# KiCad board Soldered Inkplate 6.kicad_pcb (continued)
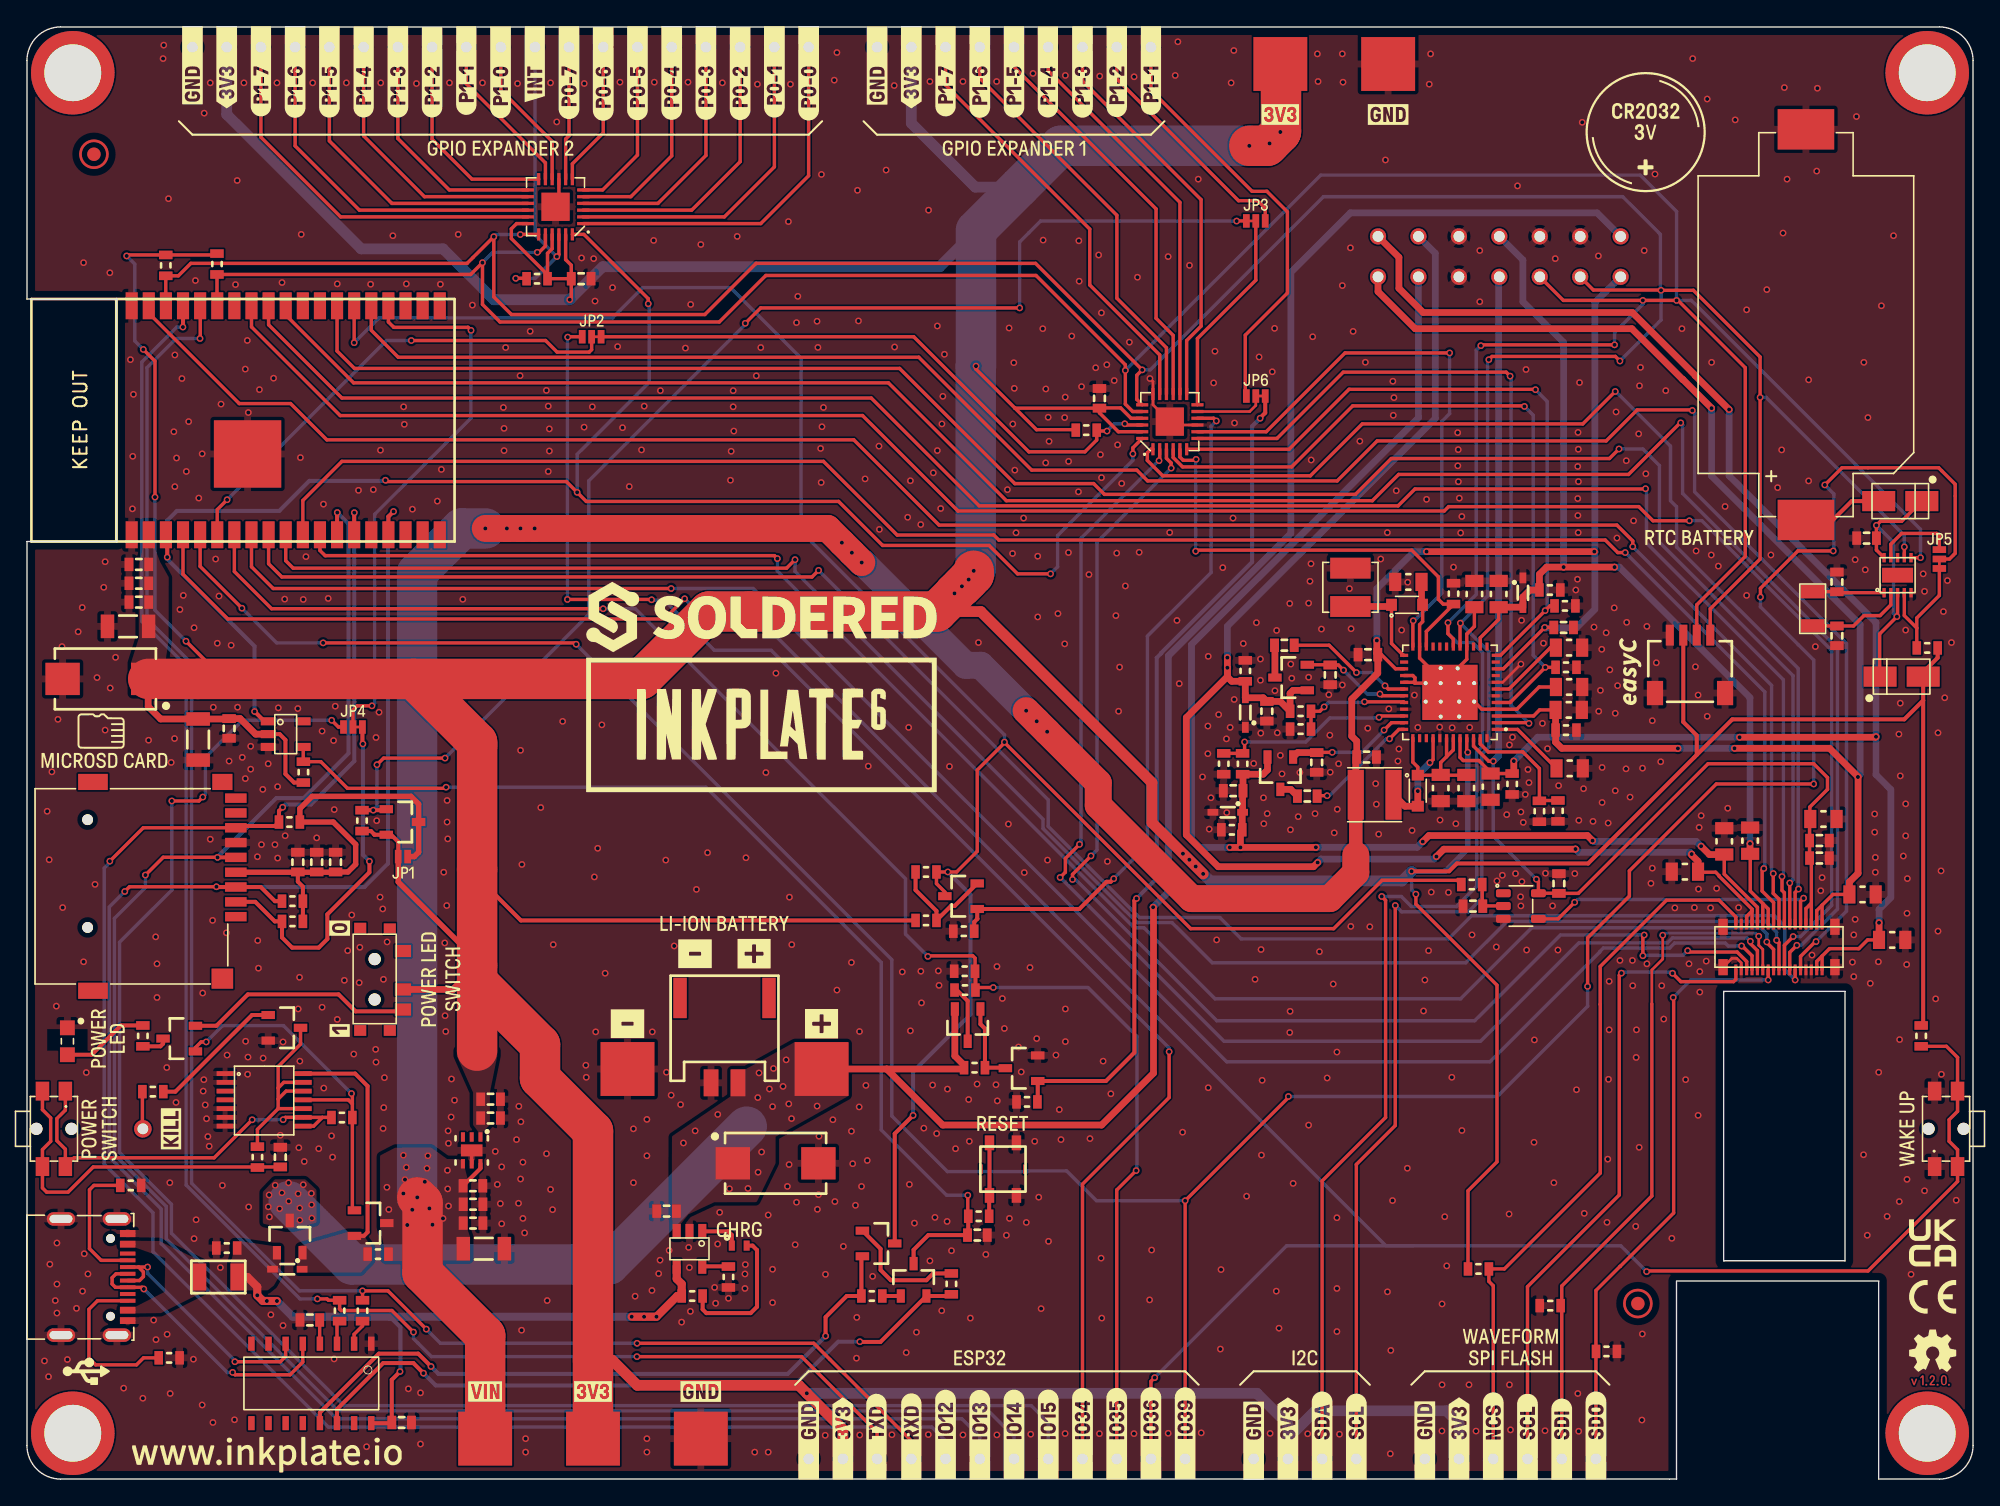
[diagram p0: board, top side]
## Footprints (pads in the part's own frame, mm; a bottom-side part is the same pattern mirrored in y, then rotated) (continued)
INKPLATE TEST HEADER
  round 1.2 hole 0.8: 1(-1.5,9) 2(-1.5,6) 3(-1.5,3) 4(-1.5,0) 5(-1.5,-3) 6(-1.5,-6) 7(-1.5,-9) 8(1.5,-9) 9(1.5,-6) 10(1.5,-3) 11(1.5,0) 12(1.5,3) 13(1.5,6) 14(1.5,9)
JST-2pin-SMD
  rect 1x3 smd: (-3.3,3.15) (3.3,3.15)
  rect 1.1x2 smd: 1(1,-3.15) 2(-1,-3.15)
K2-1114SA-A4SW-06
  round 0.9 hole 0.9 unplated: (0,1.3) (0,-1.3)
  rect 1.4x1 smd: 1(-2.8,0.85) 1(2.8,0.85) 2(-2.8,-0.85) 2(2.8,-0.85)
LTST-S270GKT
  rect 1.1x1.1 smd: 1(-1,0) 2(1,0)
M4_DIODA
  rect 2.45x1.5 smd: 1(-1.6,0) 2(1.6,0)
NR4012
  rect 1.2x3.7 smd: 1(-1.4,0) 2(1.4,0)
PAD_4x4
  rect 4x4 smd: 1(0,0)
PAD_4x4#2
  rect 4x4 smd: 1(0.075,1)
PCAL6416AHF,128
  rect 0.9x0.24 smd: 1(-2.05,1.25) 2(-2.05,0.75) 3(-2.05,0.25) 4(-2.05,-0.25) 5(-2.05,-0.75) 6(-2.05,-1.25) 13(2.05,-1.25) 14(2.05,-0.75) 15(2.05,-0.25) 16(2.05,0.25) 17(2.05,0.75) 18(2.05,1.25)
  rect 0.24x0.9 smd: 7(-1.25,-2.05) 8(-0.75,-2.05) 9(-0.25,-2.05) 10(0.25,-2.05) 11(0.75,-2.05) 12(1.25,-2.05) 19(1.25,2.05) 20(0.75,2.05) 21(0.25,2.05) 22(-0.25,2.05) 23(-0.75,2.05) 24(-1.25,2.05)
  rect 2.1x2.1 smd: 25(0,0)
PCF85063A
  rect 1.1x2.3 smd: (0,0)
  rect 0.7x0.25 smd: 1(-1.3,1) 2(-1.3,0.5) 3(-1.3,0) 4(-1.3,-0.5) 5(-1.3,-1) 6(1.3,-1) 7(1.3,-0.5) 8(1.3,0) 9(1.3,0.5) 10(1.3,1)
SK-3296S-01-L1
  rect 0.9x1.2 smd: 1(2.1,-2.1) 2(-0.75,-2.1) 3(-2.25,-2.1)
  round 0.9 hole 0.9: MH1(-1.5,0) MH2(1.5,0)
  rect 0.8x0.9 smd: MP1(-3.8,-1.125) MP2(3.75,-1.125) MP3(3.8,1.075) MP4(-3.8,1.075)
SMD_JUMPER
  rect 0.5x1 smd: 1(-0.35,0) 2(0.35,0)
SMD_JUMPER_3_PAD_CONNECTED_LEFT_TRACE
  rect 0.5x1 smd: 1(-0.7,0) 3(0.7,0)
  custom 0.5x1 smd: 2(0,0)
SN74LVC1G34DBV
  rrect 1.1x0.6 smd: 1(-1.3,0.95) 2(-1.3,0) 3(-1.3,-0.95) 4(1.3,-0.95) 5(1.3,0.95)
SOD-323
  rect 0.8x0.5 smd: 1(-1.1,0) 2(1.1,0)
SOD-323-2
  rect 0.8x0.9 smd: 1(-1.15,0) 2(1.15,0)
SOP-16
  rect 1.05x0.48 smd: 1(-2.95,4.445) 2(-2.95,3.175) 3(-2.95,1.905) 4(-2.95,0.635) 5(-2.95,-0.635) 6(-2.95,-1.905) 7(-2.95,-3.175) 8(-2.95,-4.445) 9(2.95,-4.445) 10(2.95,-3.175) 11(2.95,-1.905) 12(2.95,-0.635) 13(2.95,0.635) 14(2.95,1.905) 15(2.95,3.175) 16(2.95,4.445)
SOT-23-3
  rect 1x0.6 smd: 1(-1.2,0.95) 2(-1.2,-0.95) 3(1.2,0)
SOT-23-5
  rect 1.1x0.6 smd: 1(-1.3,0.95) 2(-1.3,0) 3(-1.3,-0.95) 4(1.3,-0.95) 5(1.3,0.95)
Standoff_M3
  round 6.2 hole 4.22: (0,0)
TPS7A2633DRVR
  rect 0.7x0.3 smd: 1(-0.995,0.65) 2(-0.995,0) 3(-0.995,-0.65) 4(0.995,-0.65) 5(0.995,0) 6(0.995,0.65)
  rect 0.89x1.6 smd: 5(0,0)
TSSOP-14
  rect 1.26x0.36 smd: 1(0,0) 2(0,-0.65) 3(0,-1.3) 4(0,-1.95) 5(0,-2.6) 6(0,-3.25) 7(0,-3.9) 8(5.8,-3.9) 9(5.8,-3.25) 10(5.8,-2.6) 11(5.8,-1.95) 12(5.8,-1.3) 13(5.8,-0.65) 14(5.8,0)
U262-161N-4BVC11
  round 0.65 hole 0.65 unplated: (-2.913,-3.2) (2.862,-3.2)
  rect 0.3x1.15 smd: A1(3.337,-4.475) A4(2.537,-4.475) A5(1.237,-4.475) A6(0.237,-4.475) A7(-0.263,-4.475) A8(-1.263,-4.475) A9(-2.563,-4.475) A12(-3.338,-4.475) B1(-3.138,-4.475) B4(-2.363,-4.475) B5(-1.763,-4.475) B6(-0.763,-4.475) B7(0.737,-4.475) B8(1.737,-4.475) B9(2.337,-4.475) B12(3.112,-4.475)
  oval 1x2.1 hole 0.6x1.7: SH(-4.313,0.475) SH(-4.313,-3.675) SH(4.312,0.475) SH(4.312,-3.675)
VQFN-49
  rect 0.6x0.24 smd: 1(-3.4,2.75) 2(-3.4,2.25) 3(-3.4,1.75) 4(-3.4,1.25) 5(-3.4,0.75) 6(-3.4,0.25) 7(-3.4,-0.25) 8(-3.4,-0.75) 9(-3.4,-1.25) 10(-3.4,-1.75) 11(-3.4,-2.25) 12(-3.4,-2.75) 25(3.4,-2.75) 26(3.4,-2.25) 27(3.4,-1.75) 28(3.4,-1.25) 29(3.4,-0.75) 30(3.4,-0.25) 31(3.4,0.25) 32(3.4,0.75) 33(3.4,1.25) 34(3.4,1.75) 35(3.4,2.25) 36(3.4,2.75)
  rect 0.24x0.6 smd: 13(-2.75,-3.4) 14(-2.25,-3.4) 15(-1.75,-3.4) 16(-1.25,-3.4) 17(-0.75,-3.4) 18(-0.25,-3.4) 19(0.25,-3.4) 20(0.75,-3.4) 21(1.25,-3.4) 22(1.75,-3.4) 23(2.25,-3.4) 24(2.75,-3.4) 37(2.75,3.4) 38(2.25,3.4) 39(1.75,3.4) 40(1.25,3.4) 41(0.75,3.4) 42(0.25,3.4) 43(-0.25,3.4) 44(-0.75,3.4) 45(-1.25,3.4) 46(-1.75,3.4) 47(-2.25,3.4) 48(-2.75,3.4)
  round 0.5 hole 0.3: 49(-1.8,0.685) 49(-1.8,-0.685) 49(-0.685,1.8) 49(-0.685,0.685) 49(-0.685,-0.685) 49(-0.57,-1.78) 49(0.685,1.8) 49(0.685,0.685) 49(0.685,-0.685) 49(0.685,-1.8) 49(1.8,0.685) 49(1.8,-0.685)
  rect 4.1x4.1 smd: 49(0,0)
YTSA007A0151803B
  rect 0.7x0.25 smd: (0,1.625) (0,-1.625)
  rect 1.1x0.7 smd: 1(-1.95,1) 1(1.95,1) 2(-1.95,-1) 2(1.95,-1)

## Nets
3V3: C29.2 C30.2 C37.2 C38.2 C46.2 C47.2 C48.2 C49.2 C50.1 C55.2 C56.2 D10.1 JP1.2 K7.1 K8.3 K30.1 K51.1 K52.1 K56.1 PAD5.1 PAD6.1 Q10.2 R1.2 R4.2 R27.2 R31.2 R33.2 R36.1 R44.1 R45.1 R46.2 R51.1 S1.2 U1.45 U3.1 U6.2 U8.21 U8.23 U9.18 U9.21 U9.23 U12.2
3V3-EINK: C31.2 C43.2 C44.2 C53.2 K1.4 K15.5 K15.7 U1.46 U7.5
3V3_MICROSD: C32.2 C33.2 C34.2 JP1.1 K13.4 Q10.3 R47.2 R48.2 R49.2
3V3_RTC: C42.2 D10.2 D11.2 U10.3 U10.10
/POWER/VDDH_D: C19.2 D9.1 U1.35
/POWER/VDDH_DRV: C17.1 U1.36
/POWER/VDDH_FB: R39.1 R40.2 U1.34
/POWER/VEE_D: C18.2 D6.2 U1.31
/POWER/VEE_DRV: C16.2 U1.30
/POWER/VEE_FB: R41.1 R42.2 U1.32
GND: C1.1 C2.1 C3.1 C4.1 C5.1 C6.1 C7.1 C8.1 C9.2 C10.1 C11.2 C12.1 C13.1 C14.1 C15.1 C18.1 C19.1 C20.2 C21.1 C22.1 C23.1 C24.1 C25.1 C26.1 C27.1 C28.1 C29.1 C30.1 C31.1 C32.1 C33.1 C34.1 C35.1 C36.1 C37.1 C38.1 C39.1 C40.1 C41.1 C42.1 C43.1 C44.1 C45.1 C46.1 C47.1 C48.1 C49.1 C50.2 C51.1 C52.1 C53.1 C54.1 C55.1 C56.1 D2.1 D4.2 D5.2 D8.2 K1.3 K1.9 K1.10 K1.12 K2.2 K3.A1 K3.A12 K3.B1 K3.B12 K3.SH K6.1 K8.4 K8.5 K13.6 K14.- K15.6 K15.8 K15.31 K15.32 K15.SH K54.1 K55.1 K57.1 K58.1 L1.1 PAD2.1 PAD3.1 PAD7.1 Q3.2 Q6.2 R2.1 R3.1 R5.2 R6.2 R7.2 R8.2 R10.2 R12.2 R13.2 R15.1 R17.1 R20.2 R29.1 R32.1 R34.1 R35.1 R37.1 R38.1 R40.1 R42.1 R43.1 SW2.1 SW3.1 U1.6 U1.8 U1.33 U1.41 U1.48 U2.2 U3.5 U4.1 U4.2 U4.5 U4.6 U4.7 U5.1 U6.3 U7.3 U8.9 U8.18 U8.25 U9.9 U9.25 U10.5 U12.1 U12.15 U12.38 U12.39
VBAT: C20.1 C21.2 K1.8 K2.1 PAD1.1 Q1.2 Q4.3 R11.2 U2.3
VDDH: C14.2 C45.2 D2.2 D9.2 K1.2 K15.25 R32.2 R39.2
VEE: C15.2 C52.2 D5.1 D6.1 K1.13 K15.27 K15.29 R38.2 R41.2
VIN: C5.2 C8.2 C10.2 C22.2 C23.2 C24.2 C36.2 K1.7 L2.1 PAD4.1 Q8.3 R18.2 U1.10 U1.27 U3.4 U3.6
/CTRL & COMS/CH_RXD: R23.1 U5.3
/CTRL & COMS/CH_TXD: R24.1 U5.2
/CTRL & COMS/DTR: Q7.2 R19.2 U5.13
/CTRL & COMS/RTS: Q5.2 R22.2 U5.14
/MCU/GPB_3: K19.1 U8.13
/MCU/GPB_4: K23.1 U8.14
/MCU/GPB_5: K24.1 U8.15
/MCU/GPB_6: K31.1 U8.16
/MCU/GPB_7: K32.1 U8.17
/MCU/INTB: JP2.1 R45.2 U8.22
/POWER/INT_LDO: C4.2 U1.7
/POWER/TS: R2.2 R3.2 U1.47
/POWER/VB: C11.1 C12.2 D3.1 U1.37 U1.42 U1.43
/POWER/VB_SW: D3.2 L2.2 U1.40
/POWER/VN: C3.2 C7.2 C9.1 D1.2 U1.4 U1.16 U1.23 U1.28 U1.29 U1.49
/POWER/VN_SW: D1.1 L1.2 U1.25
/POWER/VREF: C1.2 U1.1
/SD_RTC_GPIO/CLKOUT_RTC: JP5.3 U10.9
/SD_RTC_GPIO/X1: C40.2 U10.1 X1.1
/SD_RTC_GPIO/X2: C41.2 U10.2 X1.2
D+: K3.A6 K3.B6 U5.5
D-: K3.A7 K3.B7 U5.6
EPD_CKV: K15.28 U12.8
EPD_CL: K15.9 U7.4
EPD_D0: K15.13 U12.26
EPD_D1: K15.14 U12.29
EPD_D2: K15.15 U12.30
EPD_D3: K15.16 U12.31
EPD_D4: K15.17 U12.37
EPD_D5: K15.18 U12.10
EPD_D6: K15.19 U12.11
EPD_D7: K15.20 U12.12
EPD_GMODE: K15.26 U8.2
EPD_LE: K15.10 U12.24
EPD_OE: K15.11 U8.1
EPD_SPH: K15.12 U12.9
EPD_SPV: K15.30 U8.3
GPIO15: JP4.3 K29.1
GPIO_0: Q7.3 Q9.3 R28.1 R50.1 U12.25
GPIO_0_MOSFET: Q9.1 R29.2 U8.10
GPIO_36: K28.1 R31.1 SW3.2 U12.4
GPIO_39: JP5.2 K27.1 U12.5
I2C_SCL: K1.6 K5.1 K8.1 R1.1 U1.17 U8.19 U9.19 U10.7 U12.36
I2C_SDA: K1.5 K8.2 K9.1 R4.1 U1.18 U8.20 U9.20 U10.6 U12.33
INT: U1.2 U8.7
IO34: JP2.2 U12.6
MANUAL_RST: C28.2 Q5.3 R30.2 R46.1 U6.4
PWR_GOOD: U1.24 U8.8
PWRUP: R7.1 U1.22 U8.5
RST: U6.1 U8.24 U9.24 U12.3
RXD: K21.1 R24.2 U12.34
SD_ENABLE: JP3.1 Q10.1 R44.2
SPI_CS: JP4.2 U12.23
SPI_MISO: K13.7 K25.1 R49.1 U12.14
SPI_MOSI: K13.3 K26.1 R48.1 U12.16
SPI_SCK: K13.5 K22.1 U12.13
SW_IN: D12.2 Q4.2 Q8.2 R18.1 U4.14
SW_OUT_D: Q2.1 Q8.1 R25.2 U4.11
TXD: K20.1 R23.2 U12.35
V_BAT: K18.1 R16.1 R17.2 U12.7
V_BAT_MOS: JP6.1 Q3.1 R15.2
VCOM: C6.2 C54.2 D4.1 K1.11 K15.21 K15.23 R37.2 U1.14
VCOM_CTRL: R6.1 U1.12 U8.6
VNEG: C2.2 C39.2 K1.1 K15.1 K15.3 R8.1 U1.3
VPOS: C13.2 C51.2 K1.14 K15.2 K15.4 R20.1 U1.44
VUSB: C25.2 D12.1 F1.1 Q4.1 R9.1 R43.2 U2.4 U5.16
WAKEUP: R5.1 U1.5 U8.4
Net-(C16-Pad1): C16.1 D6.3
Net-(C17-Pad2): C17.2 D9.3
Net-(C26-Pad2): C26.2 U5.4
Net-(C27-Pad2): C27.2 R26.1 SW1.2
Net-(C35-Pad2): C35.2 R50.2 U7.2
Net-(D7-Pad1): D7.1 R9.2
Net-(D7-Pad2): D7.2 U2.1
Net-(D8-Pad1): D8.1 R14.2
Net-(D11-Pad1): D11.1 K14.+
Net-(F1-Pad2): F1.2 K3.A4 K3.A9 K3.B4 K3.B9
Net-(JP2-Pad3): JP2.3 K17.1
Net-(JP3-Pad2): JP3.2 U8.12
Net-(JP3-Pad3): JP3.3 K33.1
Net-(JP4-Pad1): JP4.1 K13.2 R47.1
Net-(JP5-Pad1): JP5.1 R33.1 U10.4
Net-(JP6-Pad2): JP6.2 U8.11
Net-(JP6-Pad3): JP6.3 K34.1
Net-(K3-PadA5): K3.A5 R13.1
Net-(K3-PadB5): K3.B5 R12.1
Net-(K4-Pad1): K4.1 R21.2
Net-(K10-Pad1): K10.1 K15.22 R34.2
Net-(K11-Pad1): K11.1 K15.24 R35.2
Net-(K12-Pad1): K12.1 K15.33 R36.2
Net-(K15-Pad34): K15.34 K16.1
Net-(K35-Pad1): K35.1 U9.1
Net-(K36-Pad1): K36.1 U9.2
Net-(K37-Pad1): K37.1 U9.3
Net-(K38-Pad1): K38.1 U9.4
Net-(K39-Pad1): K39.1 U9.5
Net-(K40-Pad1): K40.1 U9.6
Net-(K41-Pad1): K41.1 U9.7
Net-(K42-Pad1): K42.1 U9.8
Net-(K43-Pad1): K43.1 U9.10
Net-(K44-Pad1): K44.1 U9.11
Net-(K45-Pad1): K45.1 U9.12
Net-(K46-Pad1): K46.1 U9.13
Net-(K47-Pad1): K47.1 U9.14
Net-(K48-Pad1): K48.1 U9.15
Net-(K49-Pad1): K49.1 U9.16
Net-(K50-Pad1): K50.1 U9.17
Net-(K53-Pad1): K53.1 R51.2 U9.22
Net-(Q1-Pad1): Q1.1 Q3.3 R11.1
Net-(Q1-Pad3): Q1.3 R16.2
Net-(Q2-Pad2): Q2.2 S1.3
Net-(Q2-Pad3): Q2.3 R14.1
Net-(Q5-Pad1): Q5.1 R19.1
Net-(Q6-Pad1): Q6.1 R21.1
Net-(Q6-Pad3): Q6.3 R26.2 U4.10 U4.12 U4.13
Net-(Q7-Pad1): Q7.1 R22.1
Net-(Q9-Pad2): Q9.2 R27.1 R28.2
Net-(R10-Pad1): R10.1 U2.5
Net-(R25-Pad1): R25.1 SW1.1 U4.8 U4.9
Net-(R30-Pad1): R30.1 SW2.2

Pads without a net: FD1 1; FD2 1; K3 A8 B8; K13 1 8 12 CD MNT; S1 1 MH1 MH2 MP1 MP2 MP3 MP4; U1 9 11 13 15 19 20 21 26 38 39; U3 2 3; U4 3 4; U5 7 8 9 10 11 12 15; U6 5; U7 1; U10 8; U12 17 18 19 20 21 22 27 28 32

## Via types
v1: diameter 0.5, hole 0.3, Top to Bottom, 1164 vias

## Routing (per net, layer and track width the routed paths; a pad name or vN(x,y) marks a point on that pad's centre or on a via; arc(x,y) is an arc through that point)
3V3: length 696.5
  Top w0.254: R36.1 106.93,21.4 109.07,23.55 109.07,36.67 103.06,42.68 v1(103.06,43.42) ; v1(11.8,62.2) 13.65,60.35 ; v1(8.63,83.86) 9.5,82.99 v1(9.5,72.9) ; 140.5,33.6 140.5,33.62 R31.2 ; R45.1 77.79,77.9 74.91,77.9 73.29,79.52 ; C55.2 79.58,79.15 80.98,77.75 U8.23 ; C55.2 79.6,79.52 81.15,79.52 81.92,78.75 U8.21 ; C55.2 73.31,79.5 73.29,79.52 ; R4.2 14,90.88 R1.2 7.47,90.88 v1(7.4,90.8) ; R51.1 38.62,89.41 35.94,92.09 35.94,92.81 36.33,93.2 U9.18 ; R51.1 38.62,91 38.97,91.34 U9.21 ; R51.1 C56.2 ; 73.29,79.52 70.42,82.39 v1(70.42,82.62) ; C56.2 40.39,87.64 40.3,87.55 ; C56.2 40.39,90.11 39.97,90.53 U9.23 ; 123.9,53.76 123.72,53.58 ; U1.45 106.84,54.03 v1(106.91,53.95)
  Top w0.3: 33.4,45.26 33.4,44.72 36.65,41.47 65.94,41.47 ; R44.1 25.53,48.11 25.78,47.85 25.78,47.83 Q10.2 27.02,47.83 27.55,47.3 JP1.2 ; R33.2 141.78,60.97 140.7,59.9 D10.1 140.7,57.8 ; R46.2 19.81,51.7 19.18,52.34 19.18,54.87 18.75,55.3 U6.2 ; 140.7,57.8 139.3,56.4 126.54,56.4 115.84,45.7 106.1,45.7 105.52,45.12 v1(102.74,45.12) ; 140.7,57.8 140.7,33.8 140.5,33.6 ; 123.9,53.76 123.9,55.2 122.9,56.2 K8.3
  Top w0.4: JP1.2 27.55,44.33 33.4,38.48 33.4,38.13
  Top w0.5: S1.2 31.62,36.35 33.4,38.13 ; U6.2 16.97,55.3 15.81,56.45 C30.2 14.97,56.42 9.92,56.42 9,57.36 9,59.4
  Top w0.8: K52.1 60.54,3.69 v1(57.86,6.37) 57.27,6.96 45.29,6.96 43.44,8.81 42,8.81 ; v1(87.28,44.92) 83.47,48.72 83.47,51.7 70.78,64.4 67.5,64.4
  Top w1.2: 52,63.81 50.28,63.81 50.12,63.65 50.12,63.64 48.94,62.46 50.88,64.4 53.6,64.4
  Top w3: 93,104.8 93.05,104.75 93.05,100.05 v1(93,100) 93,99.95 v1(92.2,99.15) 92.03,98.97 v1(90.7,98.97) ; 9,59.4 28.7,59.4 ; 28.7,59.4 33.4,54.7 33.4,36.92 ; 28.7,59.4 45.6,59.4 50.6,64.4 67.5,64.4 68.82,65.72 v1(68.82,65.75) 69.85,66.78 v1(69.88,66.78) v1(69.38,66.28) 70.25,67.15 v1(70.25,67.42) ; 33.4,36.92 33.4,31.8 ; 33.4,36.92 38.07,32.25 38.07,29.76 42,25.83 PAD6.1
  Bottom w0.254: v1(8.63,83.86) 8,84.49 8,90.2 v1(7.4,90.8) ; v1(11.8,62.2) 9.5,64.5 v1(9.5,72.9) ; v1(102.74,45.12) 102.74,43.74 v1(103.06,43.42)
  Bottom w0.4: v1(102.74,45.12) 105.25,45.12 106.91,46.78 v1(106.91,53.95)
  Bottom w0.8: v1(85.78,46.42) 87.8,44.4 102.02,44.4 v1(102.74,45.12) ; K51.1 65.62,100.66 70.36,95.91 73.64,95.91 ; K56.1 14.82,101.31 24.8,91.33 30.88,91.33 34.65,87.55 v1(40.28,87.55) 42.72,90 67.72,90 70.42,92.69 ; K30.1 106.26,4.13 105.32,5.07 95.6,5.07 93.56,3.03 K7.1 93.56,4.07 91.26,6.37 v1(57.86,6.37)
  Bottom w3: v1(68.82,65.75) 69.85,66.78 v1(69.88,66.78) v1(69.38,66.28) 70.25,67.15 v1(70.25,67.42) 70.4,67.58 70.4,82.6 v1(70.42,82.62) 70.42,92.69 76.7,98.97 v1(90.7,98.97) 92.03,98.97 v1(92.2,99.15) 93,99.95 v1(93,100)
  vias: v1(86.25,45.97) v1(86.72,45.47)
3V3-EINK: length 88.9
  Top w0.254: v1(112,44.53) 112.15,44.38 U7.5 113.66,43.49 C31.2 115.11,43.48 124.73,53.1 132.57,53.1 133.6,52.08 133.6,51.2 132.29,49.89 132.29,48.75 132.27,48.73 C44.2 C43.2 132.4,45.97 K15.5 ; K15.7 132,42.35 132.4,42.75 ; U1.46 107.34,54.42 108.46,53.29 v1(108.8,53.29)
  Bottom w0.254: v1(112,44.53) 108.8,47.73 v1(108.8,53.29)
  Bottom w0.5: v1(108.8,53.29) 109.2,53.69 109.2,89.2 K1.4
3V3_MICROSD: length 34.2
  Top w0.3: C34.2 20.1,44.35 20.47,43.97 R47.2
  Top w0.4: K13.4 22.88,45.05 C32.2 23.82,45.07 24.39,45.64 24.39,47.11 22.72,48.78 R49.2 20.25,49.77 21.16,50.68 28.49,50.68 29.06,50.11 Q10.3 29.06,46.53 28.74,46.21 JP1.1
3V3_RTC: length 20.9
  Top w0.254: U10.3 138.8,64.08 v1(138.75,64.03) 137.47,62.75 137.47,59.6 D10.2 ; D11.2 139.1,71.1 137.53,71.1 v1(137.23,70.8) C42.2 137.23,68.97 U10.10
  Bottom w0.254: v1(137.23,70.8) 138.5,69.53 138.5,64.28 v1(138.75,64.03)
/POWER/VDDH_D: length 9.3
  Top w0.254: U1.35 101.25,56.15 v1(100.7,55.6) ; C19.2 95.72,53.95 v1(96.85,53.95)
  Top w0.5: D9.1 94.28,53.93 C19.2
  Bottom w0.254: v1(100.7,55.6) 99.05,53.95 v1(96.85,53.95)
/POWER/VDDH_DRV: length 8.5
  Top w0.254: C17.1 95.76,50.73 v1(96.47,50.73) ; v1(101.1,54.95) 101.8,55.65 U1.36
  Bottom w0.254: v1(101.1,54.95) 100.87,54.95 96.65,50.73 v1(96.47,50.73)
/POWER/VDDH_FB: length 14.9
  Top w0.254: v1(100.32,56.55) 100.43,56.65 U1.34 ; R40.2 R39.1 90.35,54.03 v1(90.35,54.72)
  Bottom w0.254: v1(100.32,56.55) 100.28,56.5 96.67,56.5 94.89,54.72 v1(90.35,54.72)
/POWER/VEE_D: length 8.1
  Top w0.254: D6.2 96.68,60.45 C18.2 97.31,60.43 v1(97.69,60.05) ; U1.31 100.52,58.15 v1(100.39,58.28)
  Bottom w0.254: v1(100.39,58.28) 99.46,58.28 v1(97.69,60.05)
/POWER/VEE_DRV: length 9.5
  Top w0.254: U1.30 101.01,58.65 v1(100.77,58.89) ; C16.2 96.62,61.9 v1(98.65,59.87)
  Bottom w0.254: v1(100.77,58.89) 99.79,59.87 v1(98.65,59.87)
/POWER/VEE_FB: length 8.6
  Top w0.254: v1(96.25,57.32) 95.93,57 R41.1 95.28,55.6 ; U1.32 102.13,57.7 v1(99.25,57.7)
  Bottom w0.254: v1(96.25,57.32) 96.59,57.66 99.21,57.66 v1(99.25,57.7)
GND: length 13.9
  Top w0.2: U1.8 109.5,59.15 v1(110.85,60.5) ; 107.1,55.85 v1(107.05,55.8) ; U8.9 85.05,78.25 U8.25 83.55,79.75 U8.18 83.55,81.47 v1(83.32,81.7) ; K15.32 127.2,38.32 126.87,38.65 126.5,38.65 K15.SH
  Top w0.254: U9.25 39.47,94.7 U9.9 ; U3.5 U3.5
  vias: v1(1.3,8.77) v1(1.5,49.58) v1(1.65,45.97) v1(1.6,7.6) v1(1.7,15.95) v1(1.85,52.5) v1(2.1,13.25) v1(2.18,35.11) v1(2.23,17.53) v1(2.23,14.47) v1(2.23,12.32) v1(2.3,56.4) v1(2.6,61.8) v1(2.65,42.42) v1(3,8.88) v1(3.67,12.68) v1(3.8,62.9) v1(4.1,64.7) v1(4.12,13.95) v1(4.2,90.3) v1(4.2,38.4) v1(4.25,16.72) v1(4.4,30.18) v1(4.53,15.22) v1(5.05,44.15) v1(5.2,59.5) v1(5.7,66.2) v1(5.8,68.1) v1(5.8,55.6) v1(6.15,89.55) v1(6.17,58.72) v1(6.58,61) v1(7.17,6.75) v1(7.67,83.1) v1(7.85,75.92) v1(7.83,72.03) v1(7.9,80.53) v1(8.6,6) v1(9.03,54.85) v1(9.4,11.8) v1(9.55,40.25) v1(9.58,10.35) v1(9.65,38.25) v1(9.65,35.75) v1(10.1,105.45) v1(10.15,106.45) v1(10.38,30.55) v1(10.4,10.75) v1(10.5,95.05) v1(10.6,22) v1(10.62,6.35) v1(10.7,53.2) v1(10.9,77.75) v1(10.97,83.45) v1(10.97,73.67) v1(10.95,54.97) v1(11.1,75.8) v1(11.06,27.96) v1(11.35,64.55) v1(11.5,81.7) v1(11.6,65.6) v1(11.83,74.8) v1(12,78.5) v1(12.35,8.9) v1(12.4,63.2) v1(12.4,17.85) v1(12.5,88.97) v1(12.55,19.25) v1(12.75,72.83) v1(13,76.11) v1(13.04,36.08) v1(13,5.5) v1(13.12,29.65) v1(13.08,28.8) v1(13.15,101.4) v1(13.22,27.78) v1(13.33,26.75) v1(13.42,25.43) v1(13.52,24.71) v1(13.6,103.65) v1(13.6,47.5) v1(13.83,57.3) v1(13.78,41.47) v1(13.8,4.2) v1(14,68.3) v1(14.12,62.05) v1(14.25,65.55) v1(14.35,15.7) v1(14.4,79.8) v1(14.5,21.8) v1(14.8,40.55) v1(14.85,31.47) v1(15,53.3) v1(15.15,61.9) v1(15.4,4.4) v1(15.47,88.67) v1(15.6,96.4) v1(15.62,57.3) v1(15.97,53.58) v1(16.1,103.65) v1(16.2,82.4) v1(16.2,52) v1(16.22,32.5) v1(16.35,84.53) v1(16.42,79.17) v1(16.4,31.33) v1(16.38,30.05) v1(16.45,20.2) v1(16.6,54.4) v1(16.6,52.7) v1(17.1,46.2) v1(17.12,39.97) v1(17.25,80.88) v1(17.17,37.92) v1(17.4,47.1) v1(17.5,51.2) v1(17.53,31.25) v1(17.9,53.1) v1(18.1,12.2) v1(18.3,81.72) v1(18.4,47.1) v1(18.55,103.65) v1(18.6,51.4) v1(18.6,46.1) v1(18.65,57.25) v1(18.8,25.53) v1(18.92,88.83) v1(19,32.45) v1(19,11.4) v1(19.12,65.33) v1(19.16,47.76) v1(20.1,57.2) v1(20.12,34.9) v1(20.22,37.25) v1(20.25,31.03) v1(20.17,24.6) v1(20.35,92.4) v1(20.29,75.83) v1(20.5,65.3) v1(20.58,23.57) v1(20.7,68.47) v1(21.2,103.65) v1(21.5,47.6) v1(21.65,24.53) v1(21.9,55.53) v1(21.9,35.03) v1(22,72.38) v1(22.03,29.03) v1(22.35,65.38) v1(22.6,25.47) v1(22.67,23.9) v1(22.75,54.83) v1(22.8,49.7) v1(22.79,8.92) v1(22.88,57.38) v1(23.03,88.72) v1(23.03,34.12) v1(23.55,37.03) v1(23.7,103.65) v1(23.8,39.22) v1(24.1,41.88) v1(24.25,31.55) v1(24.6,73.4) v1(24.7,39.47) v1(24.65,36.85) v1(25.2,2.4) v1(25.5,88.7) v1(25.7,73.45) v1(25.9,55.05) v1(25.88,31.9) v1(25.9,30.95) v1(25.95,48.88) v1(26.12,56.92) v1(26.25,103.65) v1(26.23,76.38) v1(26.2,43.2) v1(26.4,42.33) v1(26.42,26.03) v1(26.45,37.1) v1(26.53,29.8) v1(26.47,27.57) v1(26.72,39.88) v1(27.15,92.3) v1(27.95,79.6) v1(28,78.3) v1(28.15,88.72) v1(28.3,6.7) v1(28.6,72) v1(28.9,103.6) v1(29.2,6.4) v1(29.2,2.6) v1(30.45,72.6) v1(30.67,88.7) v1(30.75,74.95) v1(30.92,45.05) v1(31,39.8) v1(31.03,34.4) v1(31.08,33.22) v1(31.17,50.38) v1(31.17,48.78) v1(31.22,47.53) v1(31.15,42.58) v1(31.25,25.85) v1(31.35,103.65) v1(31.28,24.93) v1(31.5,29.7) v1(31.47,26.88) v1(31.72,28.12) v1(32,92.4) v1(32.34,65.31) v1(33.05,87.15) v1(33.8,103.65) v1(34.75,24.32) v1(34.9,21.88) v1(35.12,20.45) v1(35.22,23.18) v1(35.22,18.95) v1(35.35,79.55) v1(35.4,78) v1(35.4,76.35) v1(35.52,84) v1(36.33,25.2) v1(36.4,103.6) v1(36.5,27.68) v1(36.47,20.47) v1(36.59,81.91) v1(36.62,54.1) v1(36.62,22.28) v1(36.72,45.62) v1(36.65,26.53) v1(36.7,11.05) v1(36.8,23.53) v1(36.8,19.35) v1(36.92,18.28) v1(37,3) v1(37,2) v1(37.34,85.21) v1(38.12,49.85) v1(38.54,80.82) v1(38.55,24.15) v1(38.6,13.25) v1(38.68,79.65) v1(38.68,74.8) v1(38.85,103.65) v1(38.76,77.96) v1(38.76,76.32) v1(38.85,21.5) v1(39.05,39.67) v1(39,20) v1(39.31,100.75) v1(39.75,56.25) v1(41.15,90.65) v1(41.35,103.6) v1(41.34,78.09) v1(41.47,30.72) v1(41.5,29.83) v1(42.05,90.6) v1(41.95,79.6) v1(42.1,44.7) v1(42.15,87.45) v1(42.2,33.2) v1(42.35,46.83) v1(42.66,55.99) v1(42.9,37.55) v1(43.45,88.45) v1(43.83,84.07) v1(44,103.7) v1(44.19,78.05) v1(44.69,73.68) v1(45,26) v1(45,22) v1(45.12,13.57) v1(45.6,76.4) v1(45.8,79.65) v1(46,26.7) v1(46,24) v1(46,3) v1(46,2) v1(46.4,33.2) v1(46.38,14) v1(46.55,103.7) v1(46.5,91.95) v1(46.88,15.25) v1(47,80.8) v1(46.97,16.25) v1(47.4,45.95) v1(47.45,30.2) v1(47.65,16.97) v1(47.8,28.5) v1(48.03,39.58) v1(48.5,27.8) v1(48.58,11.65) v1(48.86,83.96) v1(49.05,103.7) v1(49.1,17.2) v1(49.25,87.2) v1(49.15,15.7) v1(49.22,12.45) v1(49.67,43.78) v1(50,91.65) v1(50.5,46.5) v1(51.03,14.22) v1(51.1,13.05) v1(51.25,17.45) v1(51.4,19.8) v1(51.6,103.65) v1(52.05,13.42) v1(52.25,76.3) v1(52.2,74.15) v1(52.4,80.8) v1(52.4,79.6) v1(52.45,77.8) v1(52.7,92.25) v1(53.35,46.12) v1(53.3,15.93) v1(53.28,15.22) v1(53.28,14.15) v1(54,2) v1(54.12,81.9) v1(54.2,103.55) v1(54.45,84) v1(54.83,52.45) v1(55,19.6) v1(55,2) v1(55.33,15.57) v1(55.33,13.1) v1(55.58,59.83) v1(56.42,21.72) v1(56.5,93.35) v1(56.55,23.35) v1(56.58,43.2) v1(56.65,103.55) v1(56.75,39.67) v1(57,17.4) v1(57.1,85.85) v1(57.1,20.55) v1(57.2,87.8) v1(58.62,85.95) v1(58.69,84.01) v1(58.73,21.11) v1(58.65,20.03) v1(58.77,25.45) v1(58.89,76.51) v1(58.93,73.98) v1(58.95,96.85) v1(58.99,78.12) v1(59.1,79.55) v1(59.25,15.2) v1(59.23,3.25) v1(59.8,26.68) v1(59.9,103.85) v1(59.95,20.6) v1(60.1,105.9) v1(60.1,36.3) v1(60.58,17.28) v1(61.17,38.35) v1(61.17,25.82) v1(61.27,23.41) v1(61.47,20.32) v1(61.55,8.97) v1(61.62,95.67) v1(61.58,12) v1(61.7,85.97) v1(61.78,33.22) v1(61.75,27.62) v1(61.79,3.27) v1(61.92,21.72) v1(62.19,74.25) v1(62.25,29.22) v1(62.35,23.65) v1(62.42,52.92) v1(62.75,15.05) v1(63.22,76.68) v1(63.25,70.5) v1(63.75,97.17) v1(64.18,3.29) v1(64.35,103.45) v1(64.38,84.04) v1(64.95,37.65) v1(65.24,9.39) v1(65.35,71.4) v1(65.42,55.8) v1(65.55,74.11) v1(65.55,33.28) v1(65.47,21.88) v1(65.85,19) v1(66,10.9) v1(66.32,70.86) v1(66.33,37.7) v1(66.38,35.35) v1(66.55,26.05) v1(66.9,94.2) v1(66.88,3.3) v1(67,103.75) v1(67,16.2) v1(67.25,74.7) v1(67.2,29.25) v1(67.38,19.43) v1(67.55,85.6) v1(67.55,76.35) v1(67.5,25.65) v1(67.62,37.72) v1(67.67,36.65) v1(67.8,72.05) v1(67.89,78.33) v1(67.88,12.5) v1(67.96,80.38) v1(68.07,83.5) v1(68.3,28.95) v1(68.28,19.12) v1(68.45,52.9) v1(68.6,16.95) v1(68.9,24.53) v1(69.45,103.75) v1(69.45,3.28) v1(69.88,28.18) v1(69.93,25.07) v1(70,11.95) v1(70.5,29.33) v1(70.6,62.1) v1(71.15,16.68) v1(71.95,103.75) v1(71.9,29.28) v1(71.97,38.05) v1(72,28.07) v1(71.97,3.28) v1(72.38,35.67) v1(72.53,33.45) v1(72.68,18.1) v1(72.75,73.45) v1(72.82,48.62) v1(72.88,85.45) v1(72.9,19.35) v1(73.13,68.71) v1(73.22,82.88) v1(73.15,78.33) v1(73.26,80.97) v1(73.3,74.9) v1(73.39,70.25) v1(73.57,32.08) v1(73.78,30.22) v1(73.95,71.34) v1(74,45.03) v1(74.15,19.05) v1(74.43,37.97) v1(74.48,3.33) v1(74.65,104.35) v1(74.78,25.07) v1(74.93,32.7) v1(75,68.51) v1(75,64) v1(75.07,20.93) v1(75.25,12.65) v1(75.4,91.97) v1(75.38,85.4) v1(75.6,80.92) v1(75.59,75.44) v1(75.72,45.95) v1(75.78,78.83) v1(75.84,77.04) v1(75.8,17.65) v1(76.35,31.47) v1(76.5,64.25) v1(76.6,27.43) v1(76.72,25.2) v1(77.04,80.32) v1(77,78.8) v1(77,62) v1(77.03,3.38) v1(77.05,104.2) v1(77.05,34.9) v1(77.05,32.47) v1(77.29,75.55) v1(77.28,68.78) v1(77.53,84.85) v1(78.02,73.29) v1(78.05,91.92) v1(78.07,88.92) v1(78.25,81.1) v1(78.8,67.15) v1(78.88,25.28) v1(79.3,82.5) v1(79.52,90.87) v1(79.6,104.15) v1(79.58,3.37) v1(79.72,86.58) v1(79.65,76.05) v1(79.73,74.34) v1(79.7,16.4) v1(79.85,31.03) v1(79.75,11.95) v1(80.12,82.72) v1(80.17,45.85) v1(80.43,28.6) v1(80.68,81.55) v1(80.8,64.1) v1(80.93,76.78) v1(80.86,68.74) v1(81,57) v1(81.07,60.28) v1(81.23,73.91) v1(81.5,66.3) v1(81.8,84.4) v1(82.14,3.37) v1(82.15,104.1) v1(82.4,89.22) v1(82.53,68.8) v1(83.3,13.3) v1(83.45,17) v1(84.68,90.75) v1(84.68,3.4) v1(84.79,70.27) v1(85.2,104.2) v1(85.33,63.74) v1(85.4,106.7) v1(85.5,59.05) v1(85.75,25.75) v1(86.26,90.1) v1(86.91,96.5) v1(87.13,3.43) v1(87.22,52.12) v1(87.62,55.9) v1(87.62,53.85) v1(87.65,61.08) v1(87.72,48.25) v1(87.65,29.05) v1(87.85,50.58) v1(88.05,81.38) v1(88.15,83.72) v1(88.28,40.03) v1(88.43,56.75) v1(88.6,15.55) v1(88.55,9.65) v1(88.73,67.66) v1(89,54.95) v1(89.03,49.47) v1(89.35,103.65) v1(89.28,55.8) v1(89.49,71.34) v1(89.55,106.05) v1(89.6,78.4) v1(89.57,57.88) v1(90.25,62.03) v1(90.5,21) v1(91.03,53.12) v1(91.12,37.1) v1(91.22,63.58) v1(91.43,83.3) v1(91.53,60.88) v1(91.53,59.3) v1(91.55,55.38) v1(91.57,39.31) v1(91.6,24.05) v1(91.65,29.6) v1(91.75,50.58) v1(91.78,48.65) v1(92.03,49.4) v1(92.24,3.39) v1(92.4,82.2) v1(92.57,85.42) v1(92.6,58.53) v1(92.72,63) v1(92.7,13.95) v1(92.78,55.4) v1(92.9,11.2) v1(93,53.72) v1(93.12,52.35) v1(93.7,65) v1(93.72,34.72) v1(93.7,33.15) v1(93.78,60.5) v1(93.85,59.45) v1(93.75,48.2) v1(93.95,21.95) v1(94.32,49.17) v1(94.45,52.45) v1(95.03,3.36) v1(95.1,65.03) v1(95.1,59.53) v1(95.1,26.28) v1(95.2,66.65) v1(95.29,75.65) v1(95.28,67.95) v1(95.4,84.8) v1(95.57,49.4) v1(95.75,105.8) v1(95.8,103.75) v1(95.9,39.15) v1(96.05,63.1) v1(96.47,29.78) v1(96.6,58.22) v1(96.68,55.22) v1(96.7,52.47) v1(96.93,36.75) v1(97,47.97) v1(97.22,49.72) v1(97.2,31.7) v1(97.2,19.4) v1(97.2,14.15) v1(97.2,10.95) v1(97.32,53.1) v1(97.39,3.33) v1(97.6,105.8) v1(97.6,88.6) v1(97.6,58.95) v1(97.65,103.7) v1(98.12,66.1) v1(98.2,91.4) v1(98.25,63.12) v1(98.23,41.03) v1(98.4,85.2) v1(98.9,77.05) v1(99.31,82.91) v1(99.49,55.74) v1(99.64,41) v1(100.07,51.62) v1(100.12,50.1) v1(100.3,47.88) v1(100.45,68.3) v1(100.8,97.92) v1(100.94,70.26) v1(100.95,13.9) v1(101.05,57.17) v1(101.2,9.55) v1(101.16,1.88) v1(101.35,81.5) v1(101.32,20.68) v1(101.43,80.28) v1(101.38,78.97) v1(101.6,73.37) v1(101.72,53.3) v1(101.8,54.2) v1(102,63.03) v1(102.45,66.58) v1(102.43,23.07) v1(102.78,48.15) v1(102.95,58.2) v1(103.2,55.8) v1(103.62,34.75) v1(103.72,37.05) v1(103.85,72.73) v1(104,39.22) v1(104.05,103.55) v1(104.15,105.8) v1(104.2,43.58) v1(104.82,55.83) v1(104.85,48.92) v1(105,13) v1(105,7) v1(104.99,3.57) v1(105.2,19.47) v1(105.35,15.82) v1(105.47,43.55) v1(105.72,29.83) v1(105.85,67.7) v1(105.75,55.78) v1(106.03,48.65) v1(106.16,77.68) v1(106.2,76.42) v1(106.17,75.22) v1(106.21,74.04) v1(106.28,72.82) v1(106.38,70.24) v1(106.47,71.46) v1(106.47,25.88) v1(107,7) v1(107.22,40.4) v1(107.52,3.56) v1(107.8,91.2) v1(107.8,87.4) v1(109.03,39.5) v1(109.07,44.4) v1(109.47,44.83) v1(109.8,49.33) v1(110,54.5) v1(109.97,19.68) v1(110,7) v1(110.08,3.65) v1(110.22,55.08) v1(110.45,44.95) v1(110.6,96) v1(110.85,49.53) v1(110.82,43.22) v1(110.85,42.55) v1(110.9,63.75) v1(110.93,44.35) v1(111.03,48.75) v1(111.23,82.37) v1(111.18,50.83) v1(111.28,39.28) v1(111.38,52.67) v1(111.45,51.7) v1(111.85,32.6) v1(111.82,25) v1(112.45,56.1) v1(112.53,62.05) v1(112.64,3.59) v1(112.68,44.97) v1(112.82,54.22) v1(113.2,42.55) v1(113.3,22) v1(113.4,90.6) v1(113.6,39.28) v1(113.65,51.47) v1(114.85,44.95) v1(114.93,66) v1(114.97,28.9) v1(115.09,77.7) v1(115.11,76.45) v1(115.07,75.17) v1(115.12,74.05) v1(115.07,72.79) v1(115.08,71.53) v1(115.1,70.26) v1(115.05,66.8) v1(115.07,6.35) v1(115.14,3.55) v1(115.2,81.4) v1(115.15,48.9) v1(115.4,100.72) v1(115.5,51.25) v1(115.55,19.72) v1(116.2,48.83) v1(116.28,63.25) v1(116.6,90.8) v1(116.62,57) v1(116.85,61.6) v1(116.75,58.55) v1(116.88,52.83) v1(116.88,50.22) v1(117.18,62.83) v1(117.24,19.06) v1(117.32,48.7) v1(117.35,29.67) v1(117.3,23.75) v1(117.45,60.08) v1(117.4,36.95) v1(117.4,33.35) v1(117.78,64.67) v1(117.85,56.85) v1(117.85,51.1) v1(117.91,79.22) v1(117.98,69.86) v1(118.03,58.9) v1(118.2,38.5) v1(118.67,75.6) v1(118.7,63.6) v1(118.65,52.72) v1(118.95,50.62) v1(119.12,38.5) v1(119.21,71.14) v1(119.15,36.62) v1(119.43,33.35) v1(119.4,31.3) v1(119.37,18.76) v1(119.59,77.59) v1(119.62,24.62) v1(119.72,82.53) v1(119.65,81.16) v1(119.83,4.38) v1(119.88,52.78) v1(119.86,10.77) v1(120,91.2) v1(120.12,74.63) v1(120.2,63.3) v1(120.2,38.25) v1(120.5,44.22) v1(120.6,56.3) v1(120.6,45.35) v1(120.8,96.88) v1(120.9,60.6) v1(121.22,53.25) v1(121.3,36.62) v1(121.45,34.15) v1(121.6,80.8) v1(122.05,17.88) v1(122.28,42.4) v1(122.8,85.4) v1(123.07,29.65) v1(123.32,38.25) v1(123.6,105.45) v1(123.72,42.42) v1(123.85,68.9) v1(123.8,60.3) v1(124,58.2) v1(124.03,43.8) v1(124,27) v1(124.07,48.38) v1(124.12,37.67) v1(124.12,36.15) v1(124.22,49.25) v1(124.6,38.45) v1(124.68,102.45) v1(124.68,56.62) v1(124.93,42.4) v1(125,82.9) v1(124.97,68.6) v1(125.38,43.85) v1(125.5,67.78) v1(126,72.2) v1(126.2,49.8) v1(126.75,100.9) v1(127,42.42) v1(127.6,86.8) v1(127.6,65.6) v1(129.1,88.3) v1(129.4,68.6) v1(129.9,73.6) v1(130.2,76.4) v1(130.3,92.5) v1(130.4,103.3) v1(130.6,96.5) v1(132.2,81.6) v1(132.2,74.1) v1(132.45,38.9) v1(132.7,61.8) v1(132.85,103.25) v1(132.8,97.1) v1(133.1,43.67) v1(133.2,44.65) v1(135.45,38.38) v1(135.55,40.4) v1(135.55,37.3) v1(135.65,68.25) v1(135.65,41.55) v1(135.75,101.15) v1(136.3,82.9) v1(136.28,24.07) v1(136.4,67.5) v1(136.6,78.8) v1(136.55,18.1) v1(136.78,36.8) v1(137.1,49.38) v1(137.1,48.03) v1(137.15,46.15) v1(137.15,45.05) v1(137.38,38.4) v1(137.4,30.2) v1(137.6,87.1) v1(138.03,19.5) v1(138.5,92.3) v1(138.9,55.3) v1(138.95,32.62) v1(138.93,20.6) v1(139,57.6) v1(139,52.2) v1(139.22,46.25) v1(139.4,63.03) v1(139.4,50.12) v1(139.4,47.75) v1(139.53,44.58) v1(139.5,42) v1(139.47,38.2) v1(139.5,22.25) v1(139.8,15.2) v1(140.7,67.2) v1(140.8,65.9) v1(140.8,21.4) v1(141.62,35.65) v1(141.8,55.4) v1(141.8,40.67) v1(142.03,45.15) v1(142.05,30.05) v1(142.2,64.4) v1(142.3,58) v1(142.5,66.7) v1(142.8,62.1) v1(143.15,20.7)
VBAT: length 169.3
  Top w0.5: 63.79,30.44 67.95,26.28 79.74,26.28 83.59,30.13 83.59,42.42 v1(83.56,42.45) ; 63.79,30.44 69.44,30.44 R11.2 69.53,30.72 68.85,31.41 Q1.2 ; 63.79,30.44 PAD1.1
  Bottom w0.5: K1.8 116.5,94 98.2,94 93.78,89.58 93.78,70.21 84.7,61.13 84.7,43.59 v1(83.56,42.45)
  Bottom w3: v1(19.42,20.62) 24.12,15.93 43.18,15.93 53.41,26.16
  vias: v1(17.91,20.21) v1(17.97,21.09) v1(17.99,19.46) v1(18.42,21.81) v1(18.75,20.07) v1(18.92,21.25) v1(19.41,21.99) v1(20.12,21.18) v1(20.24,20.12) v1(20.25,19.22) v1(20.5,21.85) v1(21.1,21.21) v1(21.12,20.36) v1(21.14,19.37) v1(48.71,24.95) v1(49.58,25.85) v1(51.26,27.07) v1(52.12,21.55) v1(53.5,21.57) v1(54.23,28.32) v1(54.25,22.78) v1(54.32,30.15) v1(54.51,24.28) v1(55.09,28.96) v1(55.32,27.65) v1(55.39,30.48) v1(56.1,29.15) v1(56.33,31.12) v1(56.53,27.85) v1(56.73,26.76) v1(58.63,27.69)
VDDH: length 104.9
  Top w0.254: 125.94,46.36 125.94,44.91 128.4,42.45 K15.25
  Top w0.5: v1(90.04,46.89) v1(89.25,46.89) ; v1(90.04,46.89) 90.04,48.06 R32.2 90.18,49.47 D2.2 90.2,51.07 C14.2 90.23,52.3 R39.2 91.72,52.33 92.05,52.65 D9.2 ; v1(90.04,46.89) 95.63,46.89 v1(95.64,46.9) ; 125.94,46.36 125.94,46.36 124.84,46.36 v1(124.22,46.98) ; v1(103.57,47.32) 104.02,47.77 115.79,47.77 v1(116.17,47.39)
  Bottom w0.5: v1(90.04,46.89) v1(89.25,46.89) 87.01,46.89 86.41,47.49 86.41,61.95 103.25,78.79 K1.2 ; v1(116.17,47.39) 116.22,47.34 123.86,47.34 v1(124.22,46.98) ; v1(103.57,47.32) 103.15,46.9 v1(95.64,46.9)
VEE: length 111.2
  Top w0.254: 128,42.18 128,42.31 125.56,44.75 125.56,44.79 125.3,45.05 124,45.05 ; 128,42.18 K15.27 ; 128,42.18 127.6,41.78 K15.29
  Top w0.5: v1(104.58,46.21) 105.13,46.76 114.89,46.76 v1(114.9,46.77) ; v1(89.07,60.23) 89.07,59.57 86.03,56.53 86.03,47.83 88.39,45.46 95.46,45.46 v1(95.77,45.77) ; v1(89.07,60.23) v1(89.07,60.98) ; v1(89.07,60.23) 89.07,59.55 89.4,59.22 R38.2 90.4,58 D5.1 91.73,58 C15.2 93,57.73 R41.2 93.72,58.33 93.95,58.55 D6.1 ; C52.2 124,45.86 123.52,46.33 v1(123.52,46.4)
  Bottom w0.5: v1(123.52,46.4) 123.39,46.53 115.14,46.53 v1(114.9,46.77) ; v1(95.77,45.77) 96.03,46.03 104.4,46.03 v1(104.58,46.21) ; v1(89.07,60.23) v1(89.07,60.98) 89.07,63.31 104.5,78.74 104.5,91 K1.13
VIN: length 237.8
  Top w0.254: C5.2 v1(112.62,63.22) 109.55,60.15 U1.10 ; C8.2 100.5,61.2 101.55,60.15 U1.27 ; 98.6,53.53 C10.2
  Top w0.3: C36.2 33.65,23.06 U3.6
  Top w0.5: v1(100.16,62.25) 100.16,61.27 C8.2 100.23,59.83 98.3,57.9 98.3,55.15 98.67,54.78 C10.2 ; L2.1 98.6,53.53 ; v1(116.3,68.85) v1(103.85,68.85)
  Top w1: 98.6,46.32 L2.1
  Top w2: v1(74.14,57.04) v1(74.93,56.25) v1(75.7,55.48) 79.49,51.69 79.49,50.01 86.41,43.09 96.67,43.09 98.6,45.02 98.6,46.32 ; v1(34.01,70.57) v1(35.61,70.57) v1(36.62,70.57) v1(37.67,70.57) 59.41,70.57 v1(60.47,69.52) v1(61.21,68.77) v1(61.94,68.04)
  Top w3: v1(28.96,20.91) 29.35,20.52 29.35,15.3 34,10.65 PAD4.1
  Bottom w0.5: v1(112.62,63.22) 112.66,63.18 114.95,63.18 116.34,64.57 116.34,68.81 v1(116.3,68.85) 116.34,68.89 116.34,87.34 K1.7 ; v1(103.85,68.85) 102.92,68.85 100.16,66.09 v1(100.16,62.25)
  Bottom w2: v1(37.67,70.57) v1(36.62,70.57) v1(35.61,70.57) v1(34.01,70.57) ; v1(60.47,69.52) v1(61.21,68.77) v1(61.94,68.04) 62.02,68.04 69.65,60.41 70.77,60.41 v1(74.14,57.04) v1(74.93,56.25) v1(75.7,55.48)
  Bottom w3: v1(34.01,70.57) 32.26,70.57 28.95,67.26 28.95,20.92 v1(28.96,20.91)
  vias: v1(26.71,21.66) v1(26.85,20.01) v1(27.93,24.04) v1(27.93,21.2) v1(28.05,22.23) v1(28.15,23.14) v1(28.22,18.86) v1(28.59,19.99) v1(29.52,22.07) v1(29.68,23.07) v1(29.75,24) v1(29.86,20.09) v1(30.09,18.88) v1(30.87,19.35) v1(31.2,22.92) v1(31.22,21.54) v1(31.28,20.27)
